# Altium PCB NURIP.PcbDoc (part 5 of 14)
Units mil, origin at the board's own origin, x right, y up, seen from the top; angles counter-clockwise.
Board outline 7096.64 x 6702.94 mil, 6 copper layers (L1, L2, L3, L4, L5, L6), stack 48.469 mil thick; 305 components, 426 nets, 2172 pads, 1040 vias.
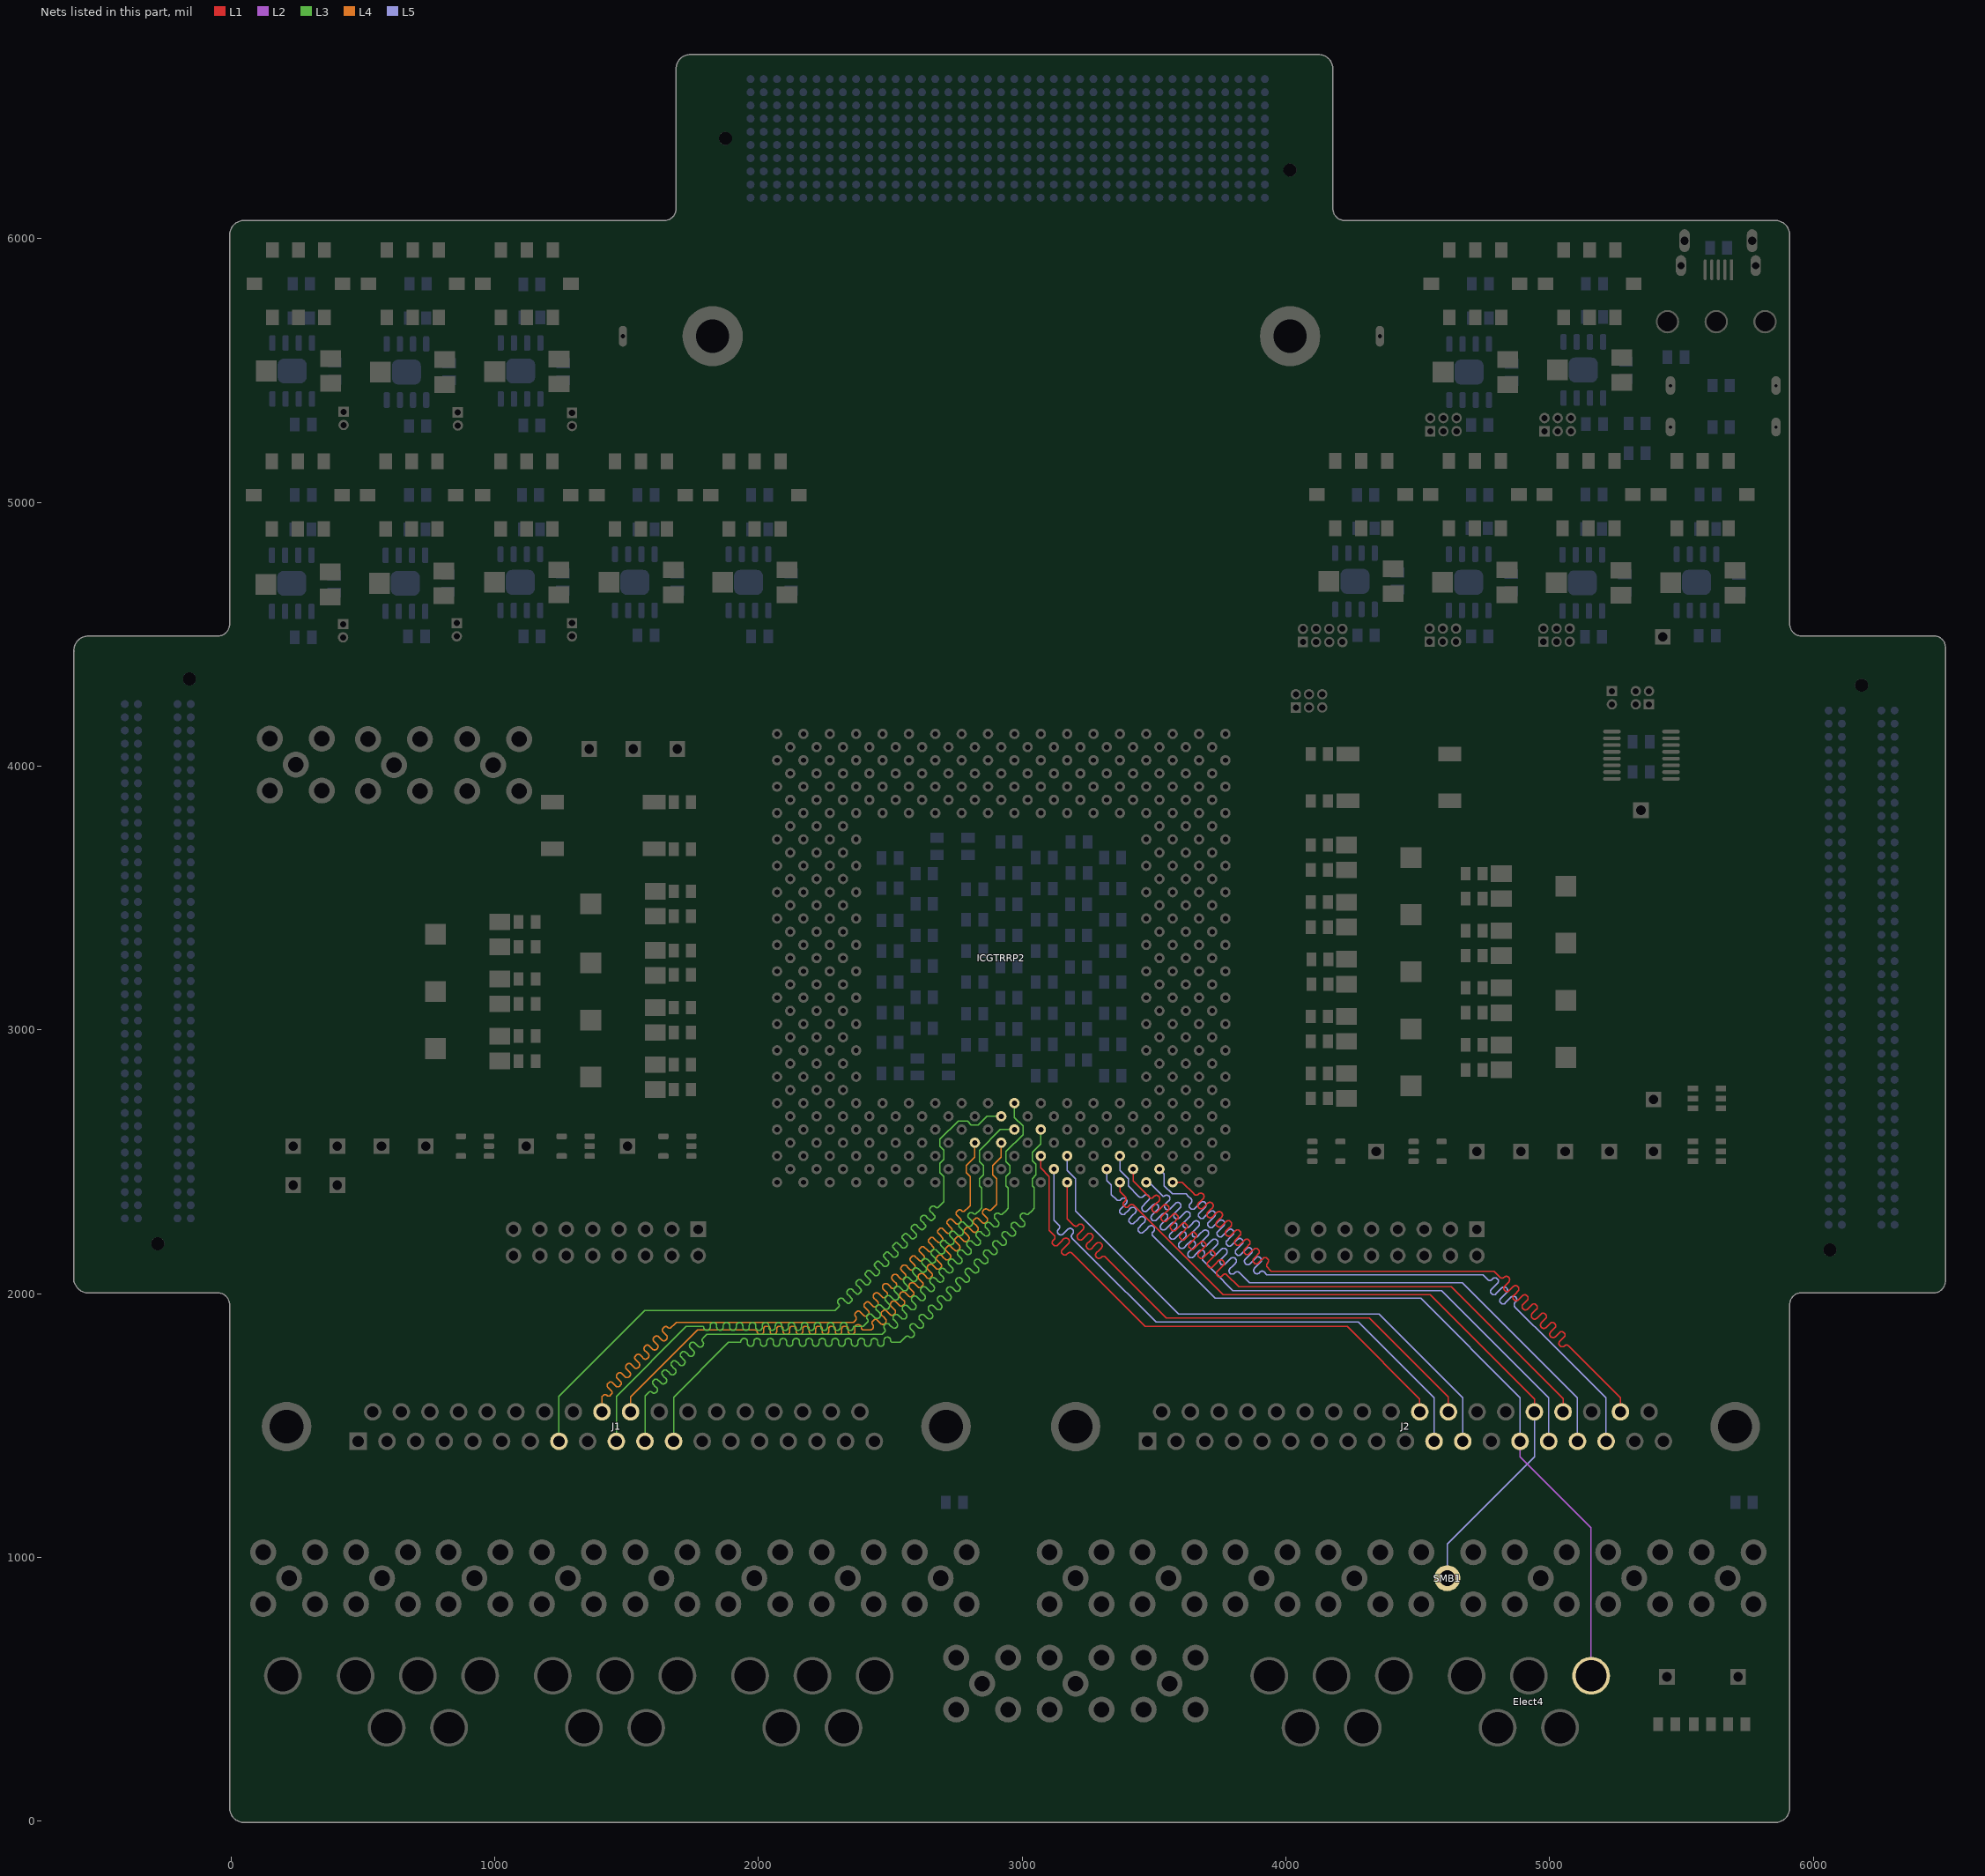
[diagram p9: the nets of this part, all layers, seen from the top]

## Via types
v1: diameter 20, hole 10, L1 to L6, tented both sides, 908 vias
v2: diameter 19.68, hole 7.87, L1 to L6, 126 vias
v3: diameter 196.85, hole 118.11, L1 to L6, 6 vias

## Nets (pads, with @x,y where several pads share a name; then routed paths per layer and width w, separated by ;. In a path a pad name is that pad's centre, name@x,y a point inside that pad or via, vN(x,y) a via of type N, cw(c..) or ccw(c..) an arc to the next point about the centre after c; other vN are vias at no path point) (continued)
2A7: ICGTRRP2.D18 J1.29 | length 3124.6
  L4 w5: J1.29@1515.49,1551.97 1515.49,1608.01 1769.69,1862.2 1777.56,1862.2 1988.55,1862.2 cw(c1988.55,1855.58) 1995.18,1855.58 ccw(c2005.05,1855.62) 2005.05,1845.74 2009.99,1845.74 ccw(c2009.99,1855.62) 2019.86,1855.62 2019.86,1862.2 2019.86,1866.82 cw(c2029.74,1866.82) 2029.74,1876.7 2034.67,1876.7 cw(c2034.67,1866.82) 2044.55,1866.82 2044.55,1862.2 2044.55,1855.62 ccw(c2054.42,1855.62) 2054.42,1845.74 2059.36,1845.74 ccw(c2059.36,1855.62) 2069.23,1855.62 2069.23,1862.2 2069.23,1866.82 cw(c2079.11,1866.82) 2079.11,1876.7 2084.04,1876.7 cw(c2084.04,1866.82) 2093.92,1866.82 2093.92,1862.2 2093.92,1855.62 ccw(c2103.79,1855.62) 2103.79,1845.74 2108.73,1845.74 ccw(c2108.73,1855.62) 2118.6,1855.62 2118.6,1862.2 2118.6,1866.82 cw(c2128.48,1866.82) 2128.48,1876.7 2133.41,1876.7 cw(c2133.41,1866.82) 2143.29,1866.82 2143.29,1862.2 2143.29,1855.62 ccw(c2153.16,1855.62) 2153.16,1845.74 2158.1,1845.74 ccw(c2158.1,1855.62) 2167.97,1855.62 2167.97,1862.2 2167.97,1866.82 cw(c2177.85,1866.82) 2177.85,1876.7 2182.78,1876.7 cw(c2182.78,1866.82) 2192.66,1866.82 2192.66,1862.2 2192.66,1855.62 ccw(c2202.53,1855.62) 2202.53,1845.74 2207.47,1845.74 ccw(c2207.47,1855.62) 2217.34,1855.62 2217.34,1862.2 2217.34,1866.82 cw(c2227.22,1866.82) 2227.22,1876.7 2232.15,1876.7 cw(c2232.15,1866.82) 2242.03,1866.82 2242.03,1862.2 2242.03,1855.62 ccw(c2251.9,1855.62) 2251.9,1845.74 2256.84,1845.74 ccw(c2256.84,1855.62) 2266.71,1855.62 2266.71,1862.2 2266.71,1866.82 cw(c2276.59,1866.82) 2276.59,1876.7 2281.52,1876.7 cw(c2281.52,1866.82) 2291.4,1866.82 2291.4,1862.2 2291.4,1855.62 ccw(c2301.27,1855.62) 2301.27,1845.74 2306.21,1845.74 ccw(c2306.21,1855.62) 2316.08,1855.62 2316.08,1862.2 2316.08,1866.82 cw(c2325.96,1866.82) 2325.96,1876.7 2330.89,1876.7 cw(c2330.89,1866.82) 2340.77,1866.82 2340.77,1862.2 2340.77,1855.62 ccw(c2350.64,1855.62) 2350.64,1845.74 2355.58,1845.74 ccw(c2355.58,1855.62) 2365.45,1855.62 2365.45,1862.2 2365.45,1871.96 cw(c2375.33,1871.96) 2375.33,1881.84 2380.26,1881.84 cw(c2380.26,1871.96) 2390.14,1871.96 ccw(c2399.89,1871.96) 2399.89,1862.2 2414.82,1862.2 2427.17,1862.2 2433.4,1868.44 ccw(c2426.46,1875.38) 2433.4,1882.31 ; 2433.43,1882.29 cw(c2440.41,1889.27) 2433.43,1896.25 2436.92,1899.74 cw(c2443.9,1892.76) 2450.88,1899.74 2457.79,1892.83 2464.7,1885.92 ccw(c2471.69,1892.9) 2478.67,1885.92 2482.16,1889.41 ccw(c2475.18,1896.39) 2482.16,1903.38 2475.25,1910.29 2468.34,1917.2 cw(c2475.32,1924.18) 2468.34,1931.16 2471.83,1934.65 cw(c2478.81,1927.67) 2485.79,1934.65 2492.7,1927.74 2499.61,1920.83 ccw(c2506.6,1927.81) 2513.58,1920.83 2517.07,1924.32 ccw(c2510.09,1931.3) 2517.07,1938.29 2510.16,1945.2 2503.25,1952.11 cw(c2510.23,1959.09) 2503.25,1966.07 2506.74,1969.56 cw(c2513.72,1962.58) 2520.7,1969.56 2527.61,1962.65 2534.52,1955.74 ccw(c2541.51,1962.72) 2548.49,1955.74 2551.98,1959.23 ccw(c2545,1966.21) 2551.98,1973.2 2545.07,1980.11 2538.16,1987.02 cw(c2545.14,1994) 2538.16,2000.98 2541.65,2004.47 cw(c2548.63,1997.49) 2555.61,2004.47 2562.52,1997.56 2569.43,1990.65 ccw(c2576.42,1997.63) 2583.4,1990.65 2586.89,1994.14 ccw(c2579.91,2001.12) 2586.89,2008.11 2579.98,2015.02 2573.07,2021.93 cw(c2580.05,2028.91) 2573.07,2035.89 2576.56,2039.38 cw(c2583.54,2032.4) 2590.52,2039.38 2597.43,2032.47 2604.34,2025.56 ccw(c2611.33,2032.54) 2618.31,2025.56 2621.8,2029.05 ccw(c2614.82,2036.03) 2621.8,2043.01 2614.89,2049.93 2607.98,2056.84 cw(c2614.96,2063.82) 2607.98,2070.8 2611.47,2074.29 cw(c2618.45,2067.31) 2625.43,2074.29 2632.34,2067.38 2639.25,2060.47 ccw(c2646.24,2067.45) 2653.22,2060.47 2656.71,2063.96 ccw(c2649.73,2070.94) 2656.71,2077.92 2649.8,2084.84 2642.89,2091.75 cw(c2649.87,2098.73) 2642.89,2105.71 2646.38,2109.2 cw(c2653.36,2102.22) 2660.34,2109.2 2667.25,2102.29 2674.16,2095.38 ccw(c2681.15,2102.36) 2688.13,2095.38 2691.62,2098.87 ccw(c2684.64,2105.85) 2691.62,2112.83 2684.71,2119.75 2677.8,2126.66 cw(c2684.78,2133.64) 2677.8,2140.62 2681.29,2144.11 cw(c2688.27,2137.13) 2695.25,2144.11 2702.16,2137.2 2709.07,2130.29 ccw(c2716.06,2137.27) 2723.04,2130.29 2726.53,2133.78 ccw(c2719.55,2140.76) 2726.53,2147.74 2719.62,2154.66 2712.71,2161.57 cw(c2719.69,2168.55) 2712.71,2175.53 2716.2,2179.02 cw(c2723.18,2172.04) 2730.16,2179.02 2737.07,2172.11 2743.98,2165.2 ccw(c2750.97,2172.18) 2757.95,2165.2 2761.44,2168.69 ccw(c2754.46,2175.67) 2761.44,2182.65 2754.53,2189.57 2747.62,2196.48 cw(c2754.6,2203.46) 2747.62,2210.44 2751.11,2213.93 cw(c2758.09,2206.95) 2765.07,2213.93 2771.98,2207.02 2778.89,2200.11 ccw(c2785.88,2207.09) 2792.86,2200.11 2796.35,2203.6 ccw(c2789.37,2210.58) 2796.35,2217.56 2789.44,2224.48 2782.52,2231.39 cw(c2789.51,2238.37) 2782.52,2245.35 2786.02,2248.84 cw(c2793,2241.86) 2799.98,2248.84 2806.89,2241.93 2813.8,2235.02 ccw(c2820.79,2242) 2827.77,2235.02 2831.26,2238.51 ccw(c2824.28,2245.49) 2831.26,2252.47 2824.35,2259.39 2817.43,2266.3 cw(c2824.42,2273.28) 2817.43,2280.26 2820.93,2283.75 cw(c2827.91,2276.77) 2834.89,2283.75 2841.8,2276.84 2848.71,2269.93 ccw(c2855.7,2276.91) 2862.68,2269.93 2866.17,2273.42 ccw(c2859.19,2280.4) 2866.17,2287.38 2859.26,2294.3 2852.32,2301.23 cw(c2859.3,2308.22) 2852.32,2315.2 2855.81,2318.69 cw(c2862.79,2311.71) 2869.77,2318.69 ccw(c2876.71,2325.63) 2883.65,2318.69 2894.17,2329.21 2902.89,2337.93 2902.89,2435.54 2888.52,2449.91 2888.52,2485.54 2920.71,2517.72 ICGTRRP2.D18@2920.71,2572.2
2A8: ICGTRRP2.G17 J1.11 | length 3331.4
  L3 w5: J1.11@1569.84,1440.16 1569.84,1611.18 1570.87,1612.2 1584.54,1625.88 cw(c1590.61,1619.82) 1596.67,1625.88 ccw(c1604.53,1633.74) 1612.38,1625.88 1614.13,1627.63 ccw(c1606.27,1635.48) 1614.13,1643.34 1608.06,1649.4 1602,1655.47 cw(c1609.85,1663.32) 1602,1671.17 1603.74,1672.92 cw(c1611.6,1665.07) 1619.45,1672.92 1625.52,1666.86 1631.58,1660.79 ccw(c1639.44,1668.65) 1647.29,1660.79 1649.04,1662.54 ccw(c1641.18,1670.39) 1649.04,1678.25 1642.97,1684.31 1636.91,1690.38 cw(c1644.76,1698.23) 1636.91,1706.08 1638.65,1707.83 cw(c1646.51,1699.98) 1654.36,1707.83 1660.43,1701.77 1666.49,1695.7 ccw(c1674.35,1703.56) 1682.2,1695.7 1683.95,1697.45 ccw(c1676.09,1705.3) 1683.95,1713.16 1677.88,1719.22 1671.82,1725.28 cw(c1679.67,1733.14) 1671.82,1740.99 1673.56,1742.74 cw(c1681.42,1734.89) 1689.27,1742.74 1695.34,1736.68 1701.4,1730.61 ccw(c1709.26,1738.47) 1717.11,1730.61 1718.86,1732.36 ccw(c1711,1740.21) 1718.86,1748.07 1712.79,1754.13 1706.73,1760.19 cw(c1714.58,1768.05) 1706.73,1775.9 1708.47,1777.65 cw(c1716.33,1769.8) 1724.18,1777.65 1730.25,1771.58 1736.31,1765.52 ccw(c1744.17,1773.37) 1752.02,1765.52 1753.77,1767.27 ccw(c1745.91,1775.12) 1753.77,1782.98 1747.7,1789.04 1741.64,1795.1 cw(c1749.49,1802.96) 1741.64,1810.81 1743.38,1812.56 cw(c1751.24,1804.7) 1759.09,1812.56 1765.16,1806.49 1771.22,1800.43 ccw(c1779.08,1808.28) 1786.93,1800.43 1788.68,1802.18 ccw(c1780.82,1810.03) 1788.68,1817.88 cw(c1794.74,1823.95) 1788.68,1830.01 1791.34,1832.68 1804.29,1845.63 2458.66,1845.63 2469.65,1845.63 2479.1,1855.09 ccw(c2473.91,1860.28) 2479.1,1865.47 cw(c2487.83,1874.2) 2479.1,1882.93 cw(c2487.83,1874.2) 2496.56,1882.93 2501.75,1877.73 2506.94,1872.54 ccw(c2515.67,1881.27) 2524.4,1872.54 ccw(c2515.67,1881.27) 2524.4,1890 2519.2,1895.19 2514.01,1900.38 cw(c2522.74,1909.11) 2514.01,1917.84 cw(c2522.74,1909.11) 2531.47,1917.84 2536.66,1912.64 2541.85,1907.45 ccw(c2550.58,1916.18) 2559.31,1907.45 ccw(c2550.58,1916.18) 2559.31,1924.91 2554.11,1930.1 2548.92,1935.29 cw(c2557.65,1944.02) 2548.92,1952.75 cw(c2557.65,1944.02) 2566.38,1952.75 2571.57,1947.55 2576.76,1942.36 ccw(c2585.49,1951.09) 2594.22,1942.36 ccw(c2585.49,1951.09) 2594.22,1959.82 2589.02,1965.01 2583.83,1970.2 cw(c2592.56,1978.93) 2583.83,1987.66 cw(c2592.56,1978.93) 2601.29,1987.66 2606.48,1982.46 2611.67,1977.27 ccw(c2620.4,1986) 2629.13,1977.27 ccw(c2620.4,1986) 2629.13,1994.73 2623.93,1999.92 2618.74,2005.11 cw(c2627.47,2013.84) 2618.74,2022.57 cw(c2627.47,2013.84) 2636.2,2022.57 2641.39,2017.37 2646.58,2012.18 ccw(c2655.31,2020.91) 2664.04,2012.18 ccw(c2655.31,2020.91) 2664.04,2029.64 2658.84,2034.83 2653.65,2040.02 cw(c2662.38,2048.75) 2653.65,2057.48 cw(c2662.38,2048.75) 2671.11,2057.48 2676.3,2052.28 2681.49,2047.09 ccw(c2690.22,2055.82) 2698.95,2047.09 ccw(c2690.22,2055.82) 2698.95,2064.55 2693.75,2069.74 2688.56,2074.93 cw(c2697.29,2083.66) 2688.56,2092.38 cw(c2697.29,2083.66) 2706.02,2092.38 2711.21,2087.19 2716.4,2082 ccw(c2725.13,2090.73) 2733.86,2082 ccw(c2725.13,2090.73) 2733.86,2099.46 2728.66,2104.65 2723.47,2109.84 cw(c2732.2,2118.57) 2723.47,2127.29 cw(c2732.2,2118.57) 2740.93,2127.29 2746.12,2122.1 2751.31,2116.91 ccw(c2760.04,2125.64) 2768.77,2116.91 ccw(c2760.04,2125.64) 2768.77,2134.37 2763.57,2139.56 2758.38,2144.75 cw(c2767.11,2153.48) 2758.38,2162.2 cw(c2767.11,2153.48) 2775.84,2162.2 2781.03,2157.01 2786.22,2151.82 ccw(c2794.95,2160.55) 2803.68,2151.82 ccw(c2794.95,2160.55) 2803.68,2169.28 2798.48,2174.47 2793.29,2179.66 cw(c2802.02,2188.39) 2793.29,2197.11 cw(c2802.02,2188.39) 2810.75,2197.11 2815.94,2191.92 2821.13,2186.73 ccw(c2829.86,2195.46) 2838.59,2186.73 ccw(c2829.86,2195.46) 2838.59,2204.19 2833.39,2209.38 2828.2,2214.57 cw(c2836.93,2223.3) 2828.2,2232.02 cw(c2836.93,2223.3) 2845.66,2232.02 2850.85,2226.83 2856.04,2221.64 ccw(c2864.77,2230.37) 2873.5,2221.64 ccw(c2864.77,2230.37) 2873.5,2239.1 2868.3,2244.29 2863.11,2249.48 cw(c2871.84,2258.21) 2863.11,2266.93 cw(c2871.84,2258.21) 2880.57,2266.93 2885.76,2261.74 2890.95,2256.55 ccw(c2899.68,2265.28) 2908.4,2256.55 ccw(c2899.68,2265.28) 2908.4,2274.01 2903.21,2279.2 2898.02,2284.39 cw(c2906.75,2293.12) 2898.02,2301.84 cw(c2906.75,2293.12) 2915.48,2301.84 ccw(c2920.67,2307.04) 2925.86,2301.84 2938.12,2314.11 2946.85,2322.83 2946.85,2400.55 2938.52,2408.87 2938.52,2444.5 2952.89,2458.87 2952.89,2485.54 2938.52,2499.91 2938.52,2538.82 3002.89,2603.19 3002.89,2635.54 2970.71,2667.72 ICGTRRP2.G17@2970.71,2722.2
2A9: ICGTRRP2.F18 J1.8 | length 3124.4
  L3 w5: J1.8@1243.74,1440.16 1243.74,1609.88 1569.49,1935.63 2240.16,1935.63 2252.93,1935.63 2277.62,1935.63 2289.96,1935.63 2304.05,1949.72 ccw(c2297.94,1955.83) 2304.05,1961.94 2302.5,1963.49 cw(c2308.61,1969.6) 2302.5,1975.71 2307.73,1980.94 cw(c2313.84,1974.83) 2319.95,1980.94 2327.61,1973.28 2335.27,1965.62 ccw(c2341.38,1971.73) 2347.49,1965.62 2352.73,1970.86 ccw(c2346.62,1976.97) 2352.73,1983.08 2345.07,1990.74 2337.41,1998.4 cw(c2343.52,2004.51) 2337.41,2010.62 2342.64,2015.85 cw(c2348.75,2009.74) 2354.86,2015.85 2362.52,2008.19 2370.18,2000.53 ccw(c2376.29,2006.64) 2382.4,2000.53 2387.64,2005.77 ccw(c2381.53,2011.88) 2387.64,2017.99 2379.98,2025.65 2372.32,2033.31 cw(c2378.43,2039.42) 2372.32,2045.53 2377.55,2050.76 cw(c2383.66,2044.65) 2389.77,2050.76 2397.43,2043.1 2405.09,2035.44 ccw(c2411.2,2041.55) 2417.31,2035.44 2422.55,2040.68 ccw(c2416.44,2046.79) 2422.55,2052.9 2414.89,2060.56 2407.23,2068.22 cw(c2413.34,2074.33) 2407.23,2080.44 2412.46,2085.67 cw(c2418.57,2079.56) 2424.68,2085.67 2432.34,2078.01 2440,2070.35 ccw(c2446.11,2076.46) 2452.22,2070.35 2457.46,2075.59 ccw(c2451.35,2081.7) 2457.46,2087.81 2449.8,2095.47 2442.14,2103.13 cw(c2448.25,2109.24) 2442.14,2115.35 2447.37,2120.58 cw(c2453.48,2114.47) 2459.59,2120.58 2467.25,2112.92 2474.91,2105.26 ccw(c2481.02,2111.37) 2487.13,2105.26 2492.37,2110.5 ccw(c2486.26,2116.61) 2492.37,2122.72 2484.71,2130.38 2477.05,2138.04 cw(c2483.15,2144.15) 2477.05,2150.26 2482.28,2155.49 cw(c2488.39,2149.38) 2494.5,2155.49 2502.16,2147.83 2509.82,2140.17 ccw(c2515.93,2146.28) 2522.04,2140.17 2527.28,2145.41 ccw(c2521.17,2151.52) 2527.28,2157.62 2519.62,2165.29 2511.96,2172.95 cw(c2518.06,2179.06) 2511.96,2185.17 2517.19,2190.4 cw(c2523.3,2184.29) 2529.41,2190.4 2537.07,2182.74 2544.73,2175.08 ccw(c2550.84,2181.19) 2556.95,2175.08 2562.19,2180.32 ccw(c2556.08,2186.43) 2562.19,2192.53 2554.53,2200.2 2546.87,2207.86 cw(c2552.97,2213.97) 2546.87,2220.08 2552.1,2225.31 cw(c2558.21,2219.2) 2564.32,2225.31 2571.98,2217.65 2579.64,2209.99 ccw(c2585.75,2216.1) 2591.86,2209.99 2597.1,2215.23 ccw(c2590.99,2221.34) 2597.1,2227.44 2589.44,2235.11 2581.78,2242.77 cw(c2587.88,2248.88) 2581.78,2254.99 2587.01,2260.22 cw(c2593.12,2254.11) 2599.23,2260.22 2606.89,2252.56 2614.55,2244.9 ccw(c2620.66,2251.01) 2626.77,2244.9 2632.01,2250.14 ccw(c2625.9,2256.25) 2632.01,2262.35 2624.35,2270.02 2616.69,2277.68 cw(c2622.79,2283.79) 2616.69,2289.9 2621.92,2295.13 cw(c2628.03,2289.02) 2634.14,2295.13 2641.8,2287.47 2649.46,2279.81 ccw(c2655.57,2285.92) 2661.68,2279.81 2666.92,2285.05 ccw(c2660.81,2291.16) 2666.92,2297.26 2659.26,2304.93 2651.6,2312.59 cw(c2657.7,2318.7) 2651.6,2324.81 2656.83,2330.04 cw(c2662.94,2323.93) 2669.05,2330.04 2670.6,2328.49 ccw(c2676.71,2334.6) 2682.82,2328.49 2694.17,2339.84 2702.89,2348.56 2702.89,2444.5 2688.52,2458.87 2688.52,2494.5 2702.89,2508.87 2702.89,2544.5 2688.52,2558.87 2688.52,2585.54 2757.38,2654.39 2793.01,2654.39 2807.38,2640.02 2834.04,2640.02 2866.23,2672.2 ICGTRRP2.F18@2920.71,2672.2
2B0: Elect4.1 ICGTRRP2.B10 J2.14 | length 3431.9
  L2 w5: J2.14@4888.07,1440.16 4888.07,1381.61 5157.48,1112.2 Elect4.1@5157.48,551.18
  L5 w5: ICGTRRP2.B10@3320.71,2472.2 3320.71,2429.29 3338.52,2411.48 3338.52,2376.04 3357.28,2357.28 3358.16,2356.41 ccw(c3366.01,2364.27) 3373.87,2356.41 3376.83,2359.38 cw(c3384.69,2351.52) 3392.54,2359.38 3394.29,2357.63 cw(c3386.43,2349.78) 3394.29,2341.92 3383.47,2331.1 3372.65,2320.28 ccw(c3380.5,2312.43) 3372.65,2304.57 3374.39,2302.83 ccw(c3382.25,2310.68) 3390.1,2302.83 3400.92,2313.65 3411.74,2324.47 cw(c3419.6,2316.61) 3427.45,2324.47 3429.2,2322.72 cw(c3421.34,2314.87) 3429.2,2307.01 3418.38,2296.19 3407.56,2285.37 ccw(c3415.41,2277.52) 3407.56,2269.66 3409.3,2267.92 ccw(c3417.16,2275.77) 3425.01,2267.92 3435.83,2278.74 3446.65,2289.56 cw(c3454.51,2281.7) 3462.36,2289.56 3464.11,2287.81 cw(c3456.25,2279.96) 3464.11,2272.1 3453.29,2261.28 3442.47,2250.46 ccw(c3450.32,2242.61) 3442.47,2234.75 3444.21,2233.01 ccw(c3452.07,2240.86) 3459.92,2233.01 3470.74,2243.83 3481.56,2254.65 cw(c3489.42,2246.79) 3497.27,2254.65 3499.02,2252.9 cw(c3491.16,2245.05) 3499.02,2237.19 3496.05,2234.23 ccw(c3503.9,2226.37) 3496.05,2218.52 3564.96,2149.61 3732.5,1982.07 4512.03,1982.07 4888.07,1606.02 J2.14@4888.07,1440.16
2B1: ICGTRRP2.A9 J2.33 SMB1.1 | length 2787
  L1 w5: ICGTRRP2.A9@3370.71,2422.2 3370.71,2387.17 3372.05,2385.83 3380.77,2377.1 3391.25,2366.63 cw(c3384.27,2359.64) 3391.25,2352.66 3385.72,2347.14 ccw(c3392.71,2340.16) 3385.72,2333.18 3389.22,2329.68 ccw(c3396.2,2336.67) 3403.18,2329.68 3408.7,2335.21 cw(c3415.68,2328.23) 3422.67,2335.21 3433.07,2324.8 3761.81,1996.06 4547.24,1996.06 4942.42,1600.89 J2.33@4942.42,1551.97
  L5 w5: SMB1.1@4612.2,921.26 4612.2,1051.18 4942.42,1381.4 J2.33@4942.42,1551.97
2B2: ICGTRRP2.B8 J2.34 | length 2793.9
  L1 w5: ICGTRRP2.B8@3420.71,2472.2 3420.71,2426.69 3480.78,2366.61 3482.53,2364.87 ccw(c3489.51,2371.85) 3496.49,2364.87 3501.76,2370.13 cw(c3508.74,2363.15) 3515.72,2370.13 3519.21,2366.64 cw(c3512.23,2359.66) 3519.21,2352.68 3506.97,2340.43 3494.72,2328.18 ccw(c3501.7,2321.2) 3494.72,2314.22 3498.21,2310.73 ccw(c3505.19,2317.71) 3512.18,2310.73 3524.42,2322.97 3536.67,2335.22 cw(c3543.65,2328.24) 3550.63,2335.22 3554.12,2331.73 cw(c3547.14,2324.75) 3554.12,2317.77 3541.88,2305.52 3529.63,2293.27 ccw(c3536.61,2286.29) 3529.63,2279.31 3533.12,2275.82 ccw(c3540.1,2282.8) 3547.09,2275.82 3559.33,2288.06 3571.58,2300.31 cw(c3578.56,2293.33) 3585.54,2300.31 3589.03,2296.82 cw(c3582.05,2289.84) 3589.03,2282.86 3576.79,2270.61 3564.54,2258.36 ccw(c3571.52,2251.38) 3564.54,2244.4 3568.03,2240.91 ccw(c3575.01,2247.89) 3582,2240.91 3594.24,2253.15 3606.49,2265.4 cw(c3613.47,2258.42) 3620.45,2265.4 3623.94,2261.91 cw(c3616.96,2254.93) 3623.94,2247.95 3611.7,2235.7 3599.45,2223.45 ccw(c3606.43,2216.47) 3599.45,2209.49 3602.94,2206 ccw(c3609.92,2212.98) 3616.91,2206 3629.15,2218.24 3641.4,2230.49 cw(c3648.38,2223.51) 3655.36,2230.49 3658.85,2227 cw(c3651.87,2220.02) 3658.85,2213.04 3646.61,2200.79 3634.36,2188.54 ccw(c3641.34,2181.56) 3634.36,2174.58 3637.85,2171.09 ccw(c3644.83,2178.07) 3651.82,2171.09 3664.06,2183.34 3676.31,2195.58 cw(c3683.29,2188.6) 3690.27,2195.58 3693.76,2192.09 cw(c3686.78,2185.11) 3693.76,2178.13 3681.52,2165.88 3669.27,2153.63 ccw(c3676.25,2146.65) 3669.27,2139.67 3672.76,2136.18 ccw(c3679.74,2143.16) 3686.73,2136.18 3698.97,2148.43 3711.22,2160.67 cw(c3718.2,2153.69) 3725.18,2160.67 3728.67,2157.18 cw(c3721.69,2150.2) 3728.67,2143.22 3716.43,2130.97 3704.18,2118.72 ccw(c3711.16,2111.74) 3704.18,2104.76 3707.67,2101.27 ccw(c3714.65,2108.25) 3721.64,2101.27 3733.88,2113.52 3746.13,2125.76 cw(c3753.11,2118.78) 3760.09,2125.76 3763.58,2122.27 cw(c3756.6,2115.29) 3763.58,2108.31 3751.34,2096.06 3739.09,2083.81 ccw(c3746.07,2076.83) 3739.09,2069.85 3742.58,2066.36 ccw(c3749.56,2073.34) 3756.55,2066.36 3761.81,2071.62 cw(c3768.79,2064.64) 3775.77,2071.62 3821.81,2025.59 4627.95,2025.59 5051.12,1602.42 J2.34@5051.12,1551.97
2B3: ICGTRRP2.C9 J2.15 | length 2787.3
  L5 w5: ICGTRRP2.C9@3370.71,2522.2 3370.71,2467.72 3402.89,2435.54 3402.89,2408.13 3441.93,2369.09 ccw(c3450.66,2377.82) 3459.38,2369.09 3461.42,2371.13 cw(c3470.14,2362.4) 3478.87,2371.13 cw(c3470.14,2362.4) 3478.87,2353.67 3468.11,2342.91 3457.35,2332.15 ccw(c3466.08,2323.42) 3457.35,2314.7 ccw(c3466.08,2323.42) 3474.81,2314.7 3485.57,2325.46 3496.33,2336.22 cw(c3505.05,2327.49) 3513.78,2336.22 cw(c3505.05,2327.49) 3513.78,2318.76 3503.02,2308 3492.26,2297.24 ccw(c3500.99,2288.51) 3492.26,2279.79 ccw(c3500.99,2288.51) 3509.72,2279.79 3520.48,2290.55 3531.24,2301.31 cw(c3539.96,2292.58) 3548.69,2301.31 cw(c3539.96,2292.58) 3548.69,2283.85 3537.93,2273.09 3527.17,2262.33 ccw(c3535.9,2253.61) 3527.17,2244.88 ccw(c3535.9,2253.61) 3544.63,2244.88 3555.39,2255.64 3566.15,2266.4 cw(c3574.87,2257.67) 3583.6,2266.4 cw(c3574.87,2257.67) 3583.6,2248.94 3572.84,2238.18 3562.08,2227.42 ccw(c3570.81,2218.7) 3562.08,2209.97 ccw(c3570.81,2218.7) 3579.54,2209.97 3590.3,2220.73 3601.06,2231.49 cw(c3609.78,2222.76) 3618.51,2231.49 cw(c3609.78,2222.76) 3618.51,2214.03 3607.75,2203.27 3596.99,2192.51 ccw(c3605.72,2183.79) 3596.99,2175.06 ccw(c3605.72,2183.79) 3614.45,2175.06 3625.21,2185.82 3635.97,2196.58 cw(c3644.69,2187.85) 3653.42,2196.58 cw(c3644.69,2187.85) 3653.42,2179.12 3642.66,2168.36 3631.9,2157.6 ccw(c3640.63,2148.88) 3631.9,2140.15 ccw(c3640.63,2148.88) 3649.36,2140.15 3660.12,2150.91 3670.88,2161.67 cw(c3679.6,2152.94) 3688.33,2161.67 cw(c3679.6,2152.94) 3688.33,2144.21 3686.3,2142.18 ccw(c3695.03,2133.45) 3686.3,2124.73 3728.35,2082.68 3798.96,2012.07 4590.3,2012.07 4996.77,1605.59 J2.15@4996.77,1440.16
2B4: ICGTRRP2.A7 J2.16 | length 2795.5
  L5 w5: ICGTRRP2.A7@3470.71,2422.2 3481.34,2422.2 3527.56,2375.98 3533.69,2369.85 ccw(c3536.29,2372.44) 3538.88,2369.85 cw(c3547.61,2361.12) 3556.34,2369.85 cw(c3547.61,2361.12) 3556.34,2352.4 3553.74,2349.8 3543.66,2339.72 ccw(c3552.39,2330.99) 3543.66,2322.26 ccw(c3552.39,2330.99) 3561.11,2322.26 3571.2,2332.35 3581.41,2342.56 cw(c3590.14,2333.83) 3598.86,2342.56 cw(c3590.14,2333.83) 3598.86,2325.1 3588.65,2314.89 3578.57,2304.81 ccw(c3587.3,2296.08) 3578.57,2287.36 ccw(c3587.3,2296.08) 3596.02,2287.36 3606.11,2297.44 3616.32,2307.65 cw(c3625.05,2298.92) 3633.77,2307.65 cw(c3625.05,2298.92) 3633.77,2290.19 3623.56,2279.98 3613.48,2269.9 ccw(c3622.21,2261.17) 3613.48,2252.45 ccw(c3622.21,2261.17) 3630.93,2252.45 3641.02,2262.53 3651.23,2272.74 cw(c3659.96,2264.01) 3668.68,2272.74 cw(c3659.96,2264.01) 3668.68,2255.28 3658.47,2245.07 3648.39,2234.99 ccw(c3657.12,2226.26) 3648.39,2217.54 ccw(c3657.12,2226.26) 3665.84,2217.54 3675.93,2227.62 3686.14,2237.83 cw(c3694.87,2229.1) 3703.59,2237.83 cw(c3694.87,2229.1) 3703.59,2220.37 3693.38,2210.16 3683.3,2200.08 ccw(c3692.03,2191.35) 3683.3,2182.63 ccw(c3692.03,2191.35) 3700.75,2182.63 3710.84,2192.71 3721.05,2202.92 cw(c3729.78,2194.19) 3738.5,2202.92 cw(c3729.78,2194.19) 3738.5,2185.46 3728.29,2175.25 3718.08,2165.04 ccw(c3726.81,2156.31) 3718.08,2147.59 ccw(c3726.81,2156.31) 3735.53,2147.59 3745.75,2157.8 3755.96,2168.01 cw(c3764.69,2159.28) 3773.41,2168.01 cw(c3764.69,2159.28) 3773.41,2150.55 3763.2,2140.34 3752.99,2130.13 ccw(c3761.72,2121.4) 3752.99,2112.68 ccw(c3761.72,2121.4) 3770.44,2112.68 3780.66,2122.89 3790.87,2133.1 cw(c3799.6,2124.37) 3808.32,2133.1 cw(c3799.6,2124.37) 3808.32,2115.64 3798.11,2105.43 3787.9,2095.22 ccw(c3796.63,2086.49) 3787.9,2077.77 ccw(c3796.63,2086.49) 3805.35,2077.77 3806.84,2079.25 cw(c3815.57,2070.52) 3824.29,2079.25 3845.47,2058.07 3861.48,2042.07 4668.56,2042.07 5105.47,1605.16 J2.16@5105.47,1440.16